# KiCad board washington-metro-pcb.kicad_pcb (continued)
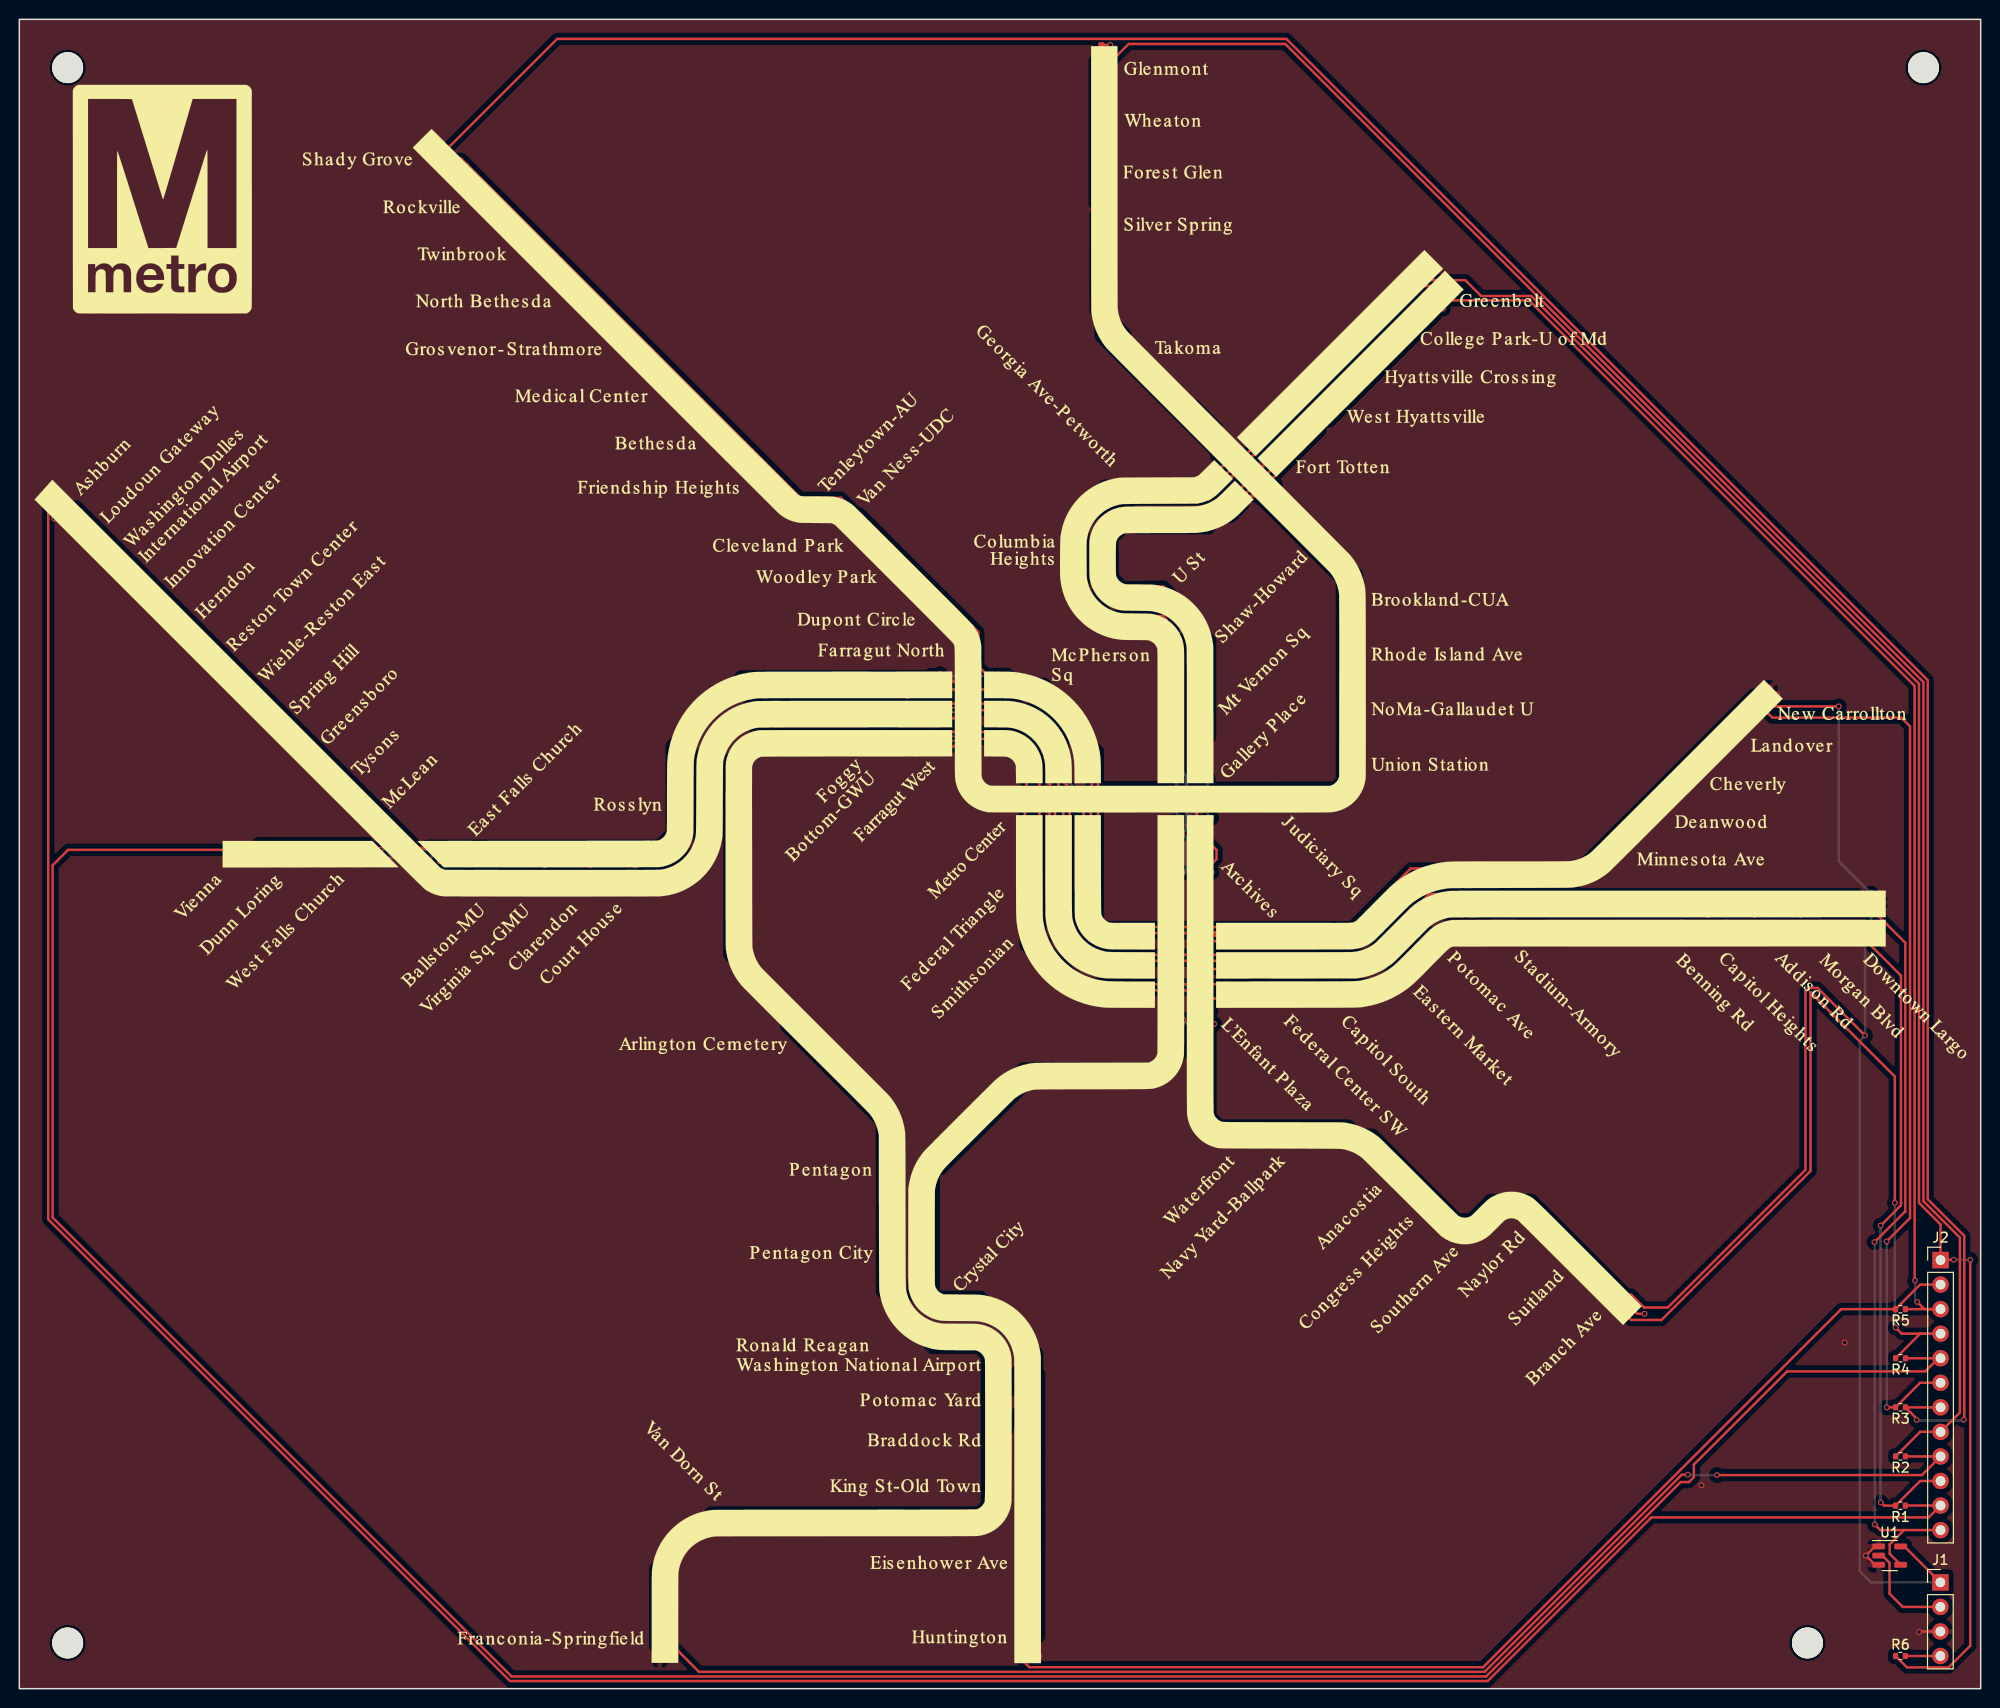
[diagram p0: board, top side]
## Placement (name value [footprint] x y rotation side) (continued)
LED34  WS2812B  [XL-1010RGBC-WS2812B]  4.26 122.32 315 top
LED35  WS2812B  [XL-1010RGBC-WS2812B]  190.09 78.36 0 top
LED36  WS2812B  [XL-1010RGBC-WS2812B]  185.28 78.36 0 top
LED37  WS2812B  [XL-1010RGBC-WS2812B]  180.46 78.36 0 top
LED38  WS2812B  [XL-1010RGBC-WS2812B]  175.66 78.36 0 top
LED39  WS2812B  [XL-1010RGBC-WS2812B]  170.84 78.36 0 top
LED40  WS2812B  [XL-1010RGBC-WS2812B]  151.98 78.42 0 top
LED41  WS2812B  [XL-1010RGBC-WS2812B]  146.99 77.58 45 top
LED42  WS2812B  [XL-1010RGBC-WS2812B]  143.27 74.03 45 top
LED43  WS2812B  [XL-1010RGBC-WS2812B]  134.95 71.74 0 top
LED44  WS2812B  [XL-1010RGBC-WS2812B]  128.36 71.81 0 top
LED45  WS2812B  [XL-1010RGBC-WS2812B]  122.22 71.84 0 top
LED46  WS2812B  [XL-1010RGBC-WS2812B]  104.54 80.3 270 top
LED47  WS2812B  [XL-1010RGBC-WS2812B]  104.51 85.37 270 top
LED48  WS2812B  [XL-1010RGBC-WS2812B]  104.46 92.03 270 top
LED49  WS2812B  [XL-1010RGBC-WS2812B]  102.35 97.82 0 top
LED50  WS2812B  [XL-1010RGBC-WS2812B]  93.13 97.92 0 top
LED51  WS2812B  [XL-1010RGBC-WS2812B]  87.95 97.8 0 top
LED52  WS2812B  [XL-1010RGBC-WS2812B]  74.53 91.71 90 top
LED53  WS2812B  [XL-1010RGBC-WS2812B]  82.61 66.83 135 top
LED54  WS2812B  [XL-1010RGBC-WS2812B]  90.29 53.91 90 top
LED55  WS2812B  [XL-1010RGBC-WS2812B]  90.29 45.21 90 top
LED56  WS2812B  [XL-1010RGBC-WS2812B]  95.76 36.45 270 top
LED57  WS2812B  [XL-1010RGBC-WS2812B]  101.23 33.88 90 top
LED58  WS2812B  [XL-1010RGBC-WS2812B]  101.3 29.67 90 top
LED59  WS2812B  [XL-1010RGBC-WS2812B]  101.3 25.81 90 top
LED60  WS2812B  [XL-1010RGBC-WS2812B]  101.29 20.52 90 top
LED61  WS2812B  [XL-1010RGBC-WS2812B]  76.62 17.17 0 top
LED62  WS2812B  [XL-1010RGBC-WS2812B]  66.76 5.3 180 top
LED63  WS2812B  [XL-1010RGBC-WS2812B]  112.3 167.71 90 top
LED64  WS2812B  [XL-1010RGBC-WS2812B]  112.29 162.32 90 top
LED65  WS2812B  [XL-1010RGBC-WS2812B]  112.31 156.95 90 top
LED66  WS2812B  [XL-1010RGBC-WS2812B]  112.31 151.58 90 top
LED67  WS2812B  [XL-1010RGBC-WS2812B]  114.43 138.82 135 top
LED68  WS2812B  [XL-1010RGBC-WS2812B]  123.92 129.45 135 top
LED69  WS2812B  [XL-1010RGBC-WS2812B]  137.98 112.78 90 top
LED70  WS2812B  [XL-1010RGBC-WS2812B]  138.02 107.13 90 top
LED71  WS2812B  [XL-1010RGBC-WS2812B]  138.01 101.46 90 top
LED72  WS2812B  [XL-1010RGBC-WS2812B]  137.99 95.81 90 top
LED73  WS2812B  [XL-1010RGBC-WS2812B]  129.11 91.99 0 top
LED74  WS2812B  [XL-1010RGBC-WS2812B]  122.13 92.12 0 top
LED75  WS2812B  [XL-1010RGBC-WS2812B]  113.29 92.14 0 top
LED76  WS2812B  [XL-1010RGBC-WS2812B]  98.25 107.15 270 top
LED77  WS2812B  [XL-1010RGBC-WS2812B]  95.48 111.42 315 top
LED78  WS2812B  [XL-1010RGBC-WS2812B]  92 114.89 315 top
LED79  WS2812B  [XL-1010RGBC-WS2812B]  88.5 118.37 315 top
LED80  WS2812B  [XL-1010RGBC-WS2812B]  85.58 121.28 315 top
LED81  WS2812B  [XL-1010RGBC-WS2812B]  81.16 121.95 0 top
LED82  WS2812B  [XL-1010RGBC-WS2812B]  77.8 124.35 315 top
LED83  WS2812B  [XL-1010RGBC-WS2812B]  73.22 128.94 315 top
LED84  WS2812B  [XL-1010RGBC-WS2812B]  68.32 133.84 315 top
LED85  WS2812B  [XL-1010RGBC-WS2812B]  63.42 138.72 315 top
LED86  WS2812B  [XL-1010RGBC-WS2812B]  58.52 143.62 315 top
LED87  WS2812B  [XL-1010RGBC-WS2812B]  53.64 148.52 315 top
LED88  WS2812B  [XL-1010RGBC-WS2812B]  48.75 153.4 315 top
LED89  WS2812B  [XL-1010RGBC-WS2812B]  43.84 158.3 315 top
LED90  WS2812B  [XL-1010RGBC-WS2812B]  179.66 101.58 45 top
LED91  WS2812B  [XL-1010RGBC-WS2812B]  175.74 97.64 45 top
LED92  WS2812B  [XL-1010RGBC-WS2812B]  171.82 93.74 45 top
LED93  WS2812B  [XL-1010RGBC-WS2812B]  167.89 89.81 45 top
LED94  WS2812B  [XL-1010RGBC-WS2812B]  163.99 85.88 45 top
LED95  WS2812B  [XL-1010RGBC-WS2812B]  151.97 83.89 0 top
LED96  WS2812B  [XL-1010RGBC-WS2812B]  142.19 81.73 45 top
LED97  WS2812B  [XL-1010RGBC-WS2812B]  139.34 78.54 45 top
LED98  WS2812B  [XL-1010RGBC-WS2812B]  134.95 77.69 0 top
LED99  WS2812B  [XL-1010RGBC-WS2812B]  128.46 77.74 0 top
LED100  WS2812B  [XL-1010RGBC-WS2812B]  122.26 77.77 0 top
LED101  WS2812B  [XL-1010RGBC-WS2812B]  110.62 80.3 270 top
LED102  WS2812B  [XL-1010RGBC-WS2812B]  110.49 85.4 270 top
LED103  WS2812B  [XL-1010RGBC-WS2812B]  110.54 92.12 270 top
LED104  WS2812B  [XL-1010RGBC-WS2812B]  102.35 104.03 0 top
LED105  WS2812B  [XL-1010RGBC-WS2812B]  93.19 103.81 0 top
LED106  WS2812B  [XL-1010RGBC-WS2812B]  88.05 103.78 0 top
LED107  WS2812B  [XL-1010RGBC-WS2812B]  68.46 91.76 90 top
LED108  WS2812B  [XL-1010RGBC-WS2812B]  64.6 86.15 0 top
LED109  WS2812B  [XL-1010RGBC-WS2812B]  59.98 86.15 0 top
LED110  WS2812B  [XL-1010RGBC-WS2812B]  55.24 86.15 0 top
LED111  WS2812B  [XL-1010RGBC-WS2812B]  50.64 86.16 0 top
LED112  WS2812B  [XL-1010RGBC-WS2812B]  44.59 86.13 0 top
LED113  WS2812B  [XL-1010RGBC-WS2812B]  36.3 86.36 0 top
LED114  WS2812B  [XL-1010RGBC-WS2812B]  29.96 86.37 0 top
LED115  WS2812B  [XL-1010RGBC-WS2812B]  23.64 86.37 0 top
LED116  WS2812B  [XL-1010RGBC-WS2812B]  164.92 40.59 315 top
LED117  WS2812B  [XL-1010RGBC-WS2812B]  160.89 44.6 315 top
LED118  WS2812B  [XL-1010RGBC-WS2812B]  156.89 48.6 315 top
LED119  WS2812B  [XL-1010RGBC-WS2812B]  150.33 47.57 45 top
LED120  WS2812B  [XL-1010RGBC-WS2812B]  145.47 50.41 315 top
LED121  WS2812B  [XL-1010RGBC-WS2812B]  142.22 53.66 315 top
LED122  WS2812B  [XL-1010RGBC-WS2812B]  132.82 57.3 0 top
LED123  WS2812B  [XL-1010RGBC-WS2812B]  127.58 57.25 0 top
LED124  WS2812B  [XL-1010RGBC-WS2812B]  122.05 69.58 270 top
LED125  WS2812B  [XL-1010RGBC-WS2812B]  122.17 85.25 270 top
LED126  WS2812B  [XL-1010RGBC-WS2812B]  122.24 89.38 270 top
LED127  WS2812B  [XL-1010RGBC-WS2812B]  122.17 99.27 270 top
LED128  WS2812B  [XL-1010RGBC-WS2812B]  122.19 105.66 270 top
LED129  WS2812B  [XL-1010RGBC-WS2812B]  115.62 113.01 0 top
LED130  WS2812B  [XL-1010RGBC-WS2812B]  112.11 117.45 270 top
LED131  WS2812B  [XL-1010RGBC-WS2812B]  115.63 121.04 180 top
LED132  WS2812B  [XL-1010RGBC-WS2812B]  127.97 125.2 225 top
LED133  WS2812B  [XL-1010RGBC-WS2812B]  134.63 131.73 225 top
LED134  WS2812B  [XL-1010RGBC-WS2812B]  138.61 135.72 225 top
LED135  WS2812B  [XL-1010RGBC-WS2812B]  142.59 139.68 225 top
LED136  WS2812B  [XL-1010RGBC-WS2812B]  146.54 143.65 225 top
LED137  WS2812B  [XL-1010RGBC-WS2812B]  104.31 5.3 270 top
LED138  WS2812B  [XL-1010RGBC-WS2812B]  104.29 13.16 270 top
LED139  WS2812B  [XL-1010RGBC-WS2812B]  104.34 20.49 270 top
LED140  WS2812B  [XL-1010RGBC-WS2812B]  104.35 25.74 270 top
LED141  WS2812B  [XL-1010RGBC-WS2812B]  104.33 29.6 270 top
LED142  WS2812B  [XL-1010RGBC-WS2812B]  104.24 33.86 270 top
LED143  WS2812B  [XL-1010RGBC-WS2812B]  95.78 39.5 90 top
LED144  WS2812B  [XL-1010RGBC-WS2812B]  93.43 45.22 270 top
LED145  WS2812B  [XL-1010RGBC-WS2812B]  94.01 53.77 315 top
LED146  WS2812B  [XL-1010RGBC-WS2812B]  119.14 69.6 270 top
LED147  WS2812B  [XL-1010RGBC-WS2812B]  119.16 85.27 270 top
LED148  WS2812B  [XL-1010RGBC-WS2812B]  119.14 89.33 270 top
LED149  WS2812B  [XL-1010RGBC-WS2812B]  119.17 99.3 270 top
LED150  WS2812B  [XL-1010RGBC-WS2812B]  119.17 105.71 270 top
LED151  WS2812B  [XL-1010RGBC-WS2812B]  115.64 110 0 top
LED152  WS2812B  [XL-1010RGBC-WS2812B]  109.09 117.5 270 top
LED153  WS2812B  [XL-1010RGBC-WS2812B]  115.63 124.05 180 top
LED154  WS2812B  [XL-1010RGBC-WS2812B]  125.85 127.26 225 top
LED155  WS2812B  [XL-1010RGBC-WS2812B]  132.51 133.86 225 top
LED156  WS2812B  [XL-1010RGBC-WS2812B]  136.49 137.84 225 top
LED157  WS2812B  [XL-1010RGBC-WS2812B]  140.48 141.82 225 top
LED158  WS2812B  [XL-1010RGBC-WS2812B]  144.37 145.74 225 top
R1  0  [R_0402_1005Metric]  194.62 18.94 180 top
R2  0  [R_0402_1005Metric]  194.63 24.04 180 top
R3  0  [R_0402_1005Metric]  194.62 29.11 180 top
R4  0  [R_0402_1005Metric]  194.63 34.19 180 top
R5  0  [R_0402_1005Metric]  194.62 39.27 180 top
R6  0  [R_0402_1005Metric]  194.62 3.38 0 top
U1  74AHC1G125  [SOT-23-5]  193.5 13.77 0 top

## Library data of the parts
C1-C158 = -: Description: 25V 1uF X5R   10% 0402 Multilayer Ceramic Capacitors MLCC - SMD SMT ROHS; LCSC: C52923; MFG: Samsung Electro-Mechanics; MFGPN: CL05A105KA5NQNC
H1-H4 = -: Description: Mounting Hole without connection
J1 = -: Description: Generic connector, single row, 01x04, script generated (kicad-library-utils/schlib/autogen/connector/)
J2 = -: Description: Generic connector, single row, 01x12, script generated (kicad-library-utils/schlib/autogen/connector/)
LED1-LED158 = -: Description: RGB LED with integrated controller; LCSC: C5349953
R1-R6 = -: Description: 1% 1 16W Thick Film Resistors 50V   800ppm    -55    155   0   0402 Chip Resistor - Surface Mount ROHS; LCSC: C17168; MFG: UNI-ROYAL(Uniroyal Elec); MFGPN: 0402WGF0000TCE
U1 = -: Description: Single Buffer Gate Tri-State, Low-Voltage CMOS; LCSC: C23654

## Footprints (pads in the part's own frame, mm; a bottom-side part is the same pattern mirrored in y, then rotated)
C_0402_1005Metric
  rrect 0.56x0.62 smd: 1(-0.48,0) 2(0.48,0)
MountingHole_3.2mm_M3
  round 3.2 hole 3.2 unplated: (0,0)
PinHeader_1x04_P2.54mm_Vertical
  rect 1.7x1.7 hole 1: 1(0,0)
  oval 1.7x1.7 hole 1: 2(0,-2.54) 3(0,-5.08) 4(0,-7.62)
PinHeader_1x12_P2.54mm_Vertical
  rect 1.7x1.7 hole 1: 1(0,0)
  oval 1.7x1.7 hole 1: 2(0,-2.54) 3(0,-5.08) 4(0,-7.62) 5(0,-10.16) 6(0,-12.7) 7(0,-15.24) 8(0,-17.78) 9(0,-20.32) 10(0,-22.86) 11(0,-25.4) 12(0,-27.94)
R_0402_1005Metric
  rrect 0.54x0.64 smd: 1(-0.51,0) 2(0.51,0)
SOT-23-5
  rrect 1.325x0.6 smd: 1(-1.137,0.95) 2(-1.137,0) 3(-1.137,-0.95) 4(1.137,-0.95) 5(1.137,0.95)
XL-1010RGBC-WS2812B
  rrect 0.45x0.45 smd: 1(-0.425,0.425) 2(0.425,0.425) 3(-0.425,-0.425) 4(0.425,-0.425)

## Nets
+5V: C1.1 C2.1 C3.1 C4.1 C5.1 C6.1 C7.1 C8.1 C9.1 C10.1 C11.1 C12.1 C13.1 C14.1 C15.1 C16.1 C17.1 C18.1 C19.1 C20.1 C21.1 C22.1 C23.1 C24.1 C25.1 C26.1 C27.1 C28.1 C29.1 C30.1 C31.1 C32.1 C33.1 C34.1 C35.1 C36.1 C37.1 C38.1 C39.1 C40.1 C41.1 C42.1 C43.1 C44.1 C45.1 C46.1 C47.1 C48.1 C49.1 C50.1 C51.1 C52.1 C53.1 C54.1 C55.1 C56.1 C57.1 C58.1 C59.1 C60.1 C61.1 C62.1 C63.1 C64.1 C65.1 C66.1 C67.1 C68.1 C69.1 C70.1 C71.1 C72.1 C73.1 C74.1 C75.1 C76.1 C77.1 C78.1 C79.1 C80.1 C81.1 C82.1 C83.1 C84.1 C85.1 C86.1 C87.1 C88.1 C89.1 C90.1 C91.1 C92.1 C93.1 C94.1 C95.1 C96.1 C97.1 C98.1 C99.1 C100.1 C101.1 C102.1 C103.1 C104.1 C105.1 C106.1 C107.1 C108.1 C109.1 C110.1 C111.1 C112.1 C113.1 C114.1 C115.1 C116.1 C117.1 C118.1 C119.1 C120.1 C121.1 C122.1 C123.1 C124.1 C125.1 C126.1 C127.1 C128.1 C129.1 C130.1 C131.1 C132.1 C133.1 C134.1 C135.1 C136.1 C137.1 C138.1 C139.1 C140.1 C141.1 C142.1 C143.1 C144.1 C145.1 C146.1 C147.1 C148.1 C149.1 C150.1 C151.1 C152.1 C153.1 C154.1 C155.1 C156.1 C157.1 C158.1 J1.1 LED1.2 LED2.2 LED3.2 LED4.2 LED5.2 LED6.2 LED7.2 LED8.2 LED9.2 LED10.2 LED11.2 LED12.2 LED13.2 LED14.2 LED15.2 LED16.2 LED17.2 LED18.2 LED19.2 LED20.2 LED21.2 LED22.2 LED23.2 LED24.2 LED25.2 LED26.2 LED27.2 LED28.2 LED29.2 LED30.2 LED31.2 LED32.2 LED33.2 LED34.2 LED35.2 LED36.2 LED37.2 LED38.2 LED39.2 LED40.2 LED41.2 LED42.2 LED43.2 LED44.2 LED45.2 LED46.2 LED47.2 LED48.2 LED49.2 LED50.2 LED51.2 LED52.2 LED53.2 LED54.2 LED55.2 LED56.2 LED57.2 LED58.2 LED59.2 LED60.2 LED61.2 LED62.2 LED63.2 LED64.2 LED65.2 LED66.2 LED67.2 LED68.2 LED69.2 LED70.2 LED71.2 LED72.2 LED73.2 LED74.2 LED75.2 LED76.2 LED77.2 LED78.2 LED79.2 LED80.2 LED81.2 LED82.2 LED83.2 LED84.2 LED85.2 LED86.2 LED87.2 LED88.2 LED89.2 LED90.2 LED91.2 LED92.2 LED93.2 LED94.2 LED95.2 LED96.2 LED97.2 LED98.2 LED99.2 LED100.2 LED101.2 LED102.2 LED103.2 LED104.2 LED105.2 LED106.2 LED107.2 LED108.2 LED109.2 LED110.2 LED111.2 LED112.2 LED113.2 LED114.2 LED115.2 LED116.2 LED117.2 LED118.2 LED119.2 LED120.2 LED121.2 LED122.2 LED123.2 LED124.2 LED125.2 LED126.2 LED127.2 LED128.2 LED129.2 LED130.2 LED131.2 LED132.2 LED133.2 LED134.2 LED135.2 LED136.2 LED137.2 LED138.2 LED139.2 LED140.2 LED141.2 LED142.2 LED143.2 LED144.2 LED145.2 LED146.2 LED147.2 LED148.2 LED149.2 LED150.2 LED151.2 LED152.2 LED153.2 LED154.2 LED155.2 LED156.2 LED157.2 LED158.2 U1.5
GND: C1.2 C2.2 C3.2 C4.2 C5.2 C6.2 C7.2 C8.2 C9.2 C10.2 C11.2 C12.2 C13.2 C14.2 C15.2 C16.2 C17.2 C18.2 C19.2 C20.2 C21.2 C22.2 C23.2 C24.2 C25.2 C26.2 C27.2 C28.2 C29.2 C30.2 C31.2 C32.2 C33.2 C34.2 C35.2 C36.2 C37.2 C38.2 C39.2 C40.2 C41.2 C42.2 C43.2 C44.2 C45.2 C46.2 C47.2 C48.2 C49.2 C50.2 C51.2 C52.2 C53.2 C54.2 C55.2 C56.2 C57.2 C58.2 C59.2 C60.2 C61.2 C62.2 C63.2 C64.2 C65.2 C66.2 C67.2 C68.2 C69.2 C70.2 C71.2 C72.2 C73.2 C74.2 C75.2 C76.2 C77.2 C78.2 C79.2 C80.2 C81.2 C82.2 C83.2 C84.2 C85.2 C86.2 C87.2 C88.2 C89.2 C90.2 C91.2 C92.2 C93.2 C94.2 C95.2 C96.2 C97.2 C98.2 C99.2 C100.2 C101.2 C102.2 C103.2 C104.2 C105.2 C106.2 C107.2 C108.2 C109.2 C110.2 C111.2 C112.2 C113.2 C114.2 C115.2 C116.2 C117.2 C118.2 C119.2 C120.2 C121.2 C122.2 C123.2 C124.2 C125.2 C126.2 C127.2 C128.2 C129.2 C130.2 C131.2 C132.2 C133.2 C134.2 C135.2 C136.2 C137.2 C138.2 C139.2 C140.2 C141.2 C142.2 C143.2 C144.2 C145.2 C146.2 C147.2 C148.2 C149.2 C150.2 C151.2 C152.2 C153.2 C154.2 C155.2 C156.2 C157.2 C158.2 J1.3 LED1.3 LED2.3 LED3.3 LED4.3 LED5.3 LED6.3 LED7.3 LED8.3 LED9.3 LED10.3 LED11.3 LED12.3 LED13.3 LED14.3 LED15.3 LED16.3 LED17.3 LED18.3 LED19.3 LED20.3 LED21.3 LED22.3 LED23.3 LED24.3 LED25.3 LED26.3 LED27.3 LED28.3 LED29.3 LED30.3 LED31.3 LED32.3 LED33.3 LED34.3 LED35.3 LED36.3 LED37.3 LED38.3 LED39.3 LED40.3 LED41.3 LED42.3 LED43.3 LED44.3 LED45.3 LED46.3 LED47.3 LED48.3 LED49.3 LED50.3 LED51.3 LED52.3 LED53.3 LED54.3 LED55.3 LED56.3 LED57.3 LED58.3 LED59.3 LED60.3 LED61.3 LED62.3 LED63.3 LED64.3 LED65.3 LED66.3 LED67.3 LED68.3 LED69.3 LED70.3 LED71.3 LED72.3 LED73.3 LED74.3 LED75.3 LED76.3 LED77.3 LED78.3 LED79.3 LED80.3 LED81.3 LED82.3 LED83.3 LED84.3 LED85.3 LED86.3 LED87.3 LED88.3 LED89.3 LED90.3 LED91.3 LED92.3 LED93.3 LED94.3 LED95.3 LED96.3 LED97.3 LED98.3 LED99.3 LED100.3 LED101.3 LED102.3 LED103.3 LED104.3 LED105.3 LED106.3 LED107.3 LED108.3 LED109.3 LED110.3 LED111.3 LED112.3 LED113.3 LED114.3 LED115.3 LED116.3 LED117.3 LED118.3 LED119.3 LED120.3 LED121.3 LED122.3 LED123.3 LED124.3 LED125.3 LED126.3 LED127.3 LED128.3 LED129.3 LED130.3 LED131.3 LED132.3 LED133.3 LED134.3 LED135.3 LED136.3 LED137.3 LED138.3 LED139.3 LED140.3 LED141.3 LED142.3 LED143.3 LED144.3 LED145.3 LED146.3 LED147.3 LED148.3 LED149.3 LED150.3 LED151.3 LED152.3 LED153.3 LED154.3 LED155.3 LED156.3 LED157.3 LED158.3 U1.1 U1.3
BLUE_LINE_IN: J2.10 LED35.4 R1.2
BLUE_LINE_OUT: J2.9 LED62.1 R2.1
GREEN_LINE_IN: J2.4 LED116.4 R4.2
GREEN_LINE_OUT: J2.3 LED136.1 R5.1
LED_IN: J1.2 U1.2
LED_OUT: J1.4 R6.2
ORANGE_LINE_IN: J2.6 LED90.4 R3.2
ORANGE_LINE_OUT: J2.5 LED115.1 R4.1
RED_LINE_IN: J2.8 LED63.4 R2.2
RED_LINE_OUT: J2.7 LED89.1 R3.1
SILVER_LINE_IN: J2.12 LED1.4 U1.4
SILVER_LINE_OUT: J2.11 LED34.1 R1.1
YELLOW_LINE_IN: J2.2 LED137.4 R5.2
YELLOW_LINE_OUT: J2.1 LED158.1 R6.1
Net-(LED1-DOUT): LED1.1 LED2.4
Net-(LED2-DOUT): LED2.1 LED3.4
Net-(LED3-DOUT): LED3.1 LED4.4
Net-(LED4-DOUT): LED4.1 LED5.4
Net-(LED5-DOUT): LED5.1 LED6.4
Net-(LED6-DOUT): LED6.1 LED7.4
Net-(LED7-DOUT): LED7.1 LED8.4
Net-(LED8-DOUT): LED8.1 LED9.4
Net-(LED10-DIN): LED9.1 LED10.4
Net-(LED10-DOUT): LED10.1 LED11.4
Net-(LED11-DOUT): LED11.1 LED12.4
Net-(LED12-DOUT): LED12.1 LED13.4
Net-(LED13-DOUT): LED13.1 LED14.4
Net-(LED14-DOUT): LED14.1 LED15.4
Net-(LED15-DOUT): LED15.1 LED16.4
Net-(LED16-DOUT): LED16.1 LED17.4
Net-(LED17-DOUT): LED17.1 LED18.4
Net-(LED18-DOUT): LED18.1 LED19.4
Net-(LED19-DOUT): LED19.1 LED20.4
Net-(LED20-DOUT): LED20.1 LED21.4
Net-(LED21-DOUT): LED21.1 LED22.4
Net-(LED22-DOUT): LED22.1 LED23.4
Net-(LED23-DOUT): LED23.1 LED24.4
Net-(LED24-DOUT): LED24.1 LED25.4
Net-(LED25-DOUT): LED25.1 LED26.4
Net-(LED26-DOUT): LED26.1 LED27.4
Net-(LED27-DOUT): LED27.1 LED28.4
Net-(LED28-DOUT): LED28.1 LED29.4
Net-(LED29-DOUT): LED29.1 LED30.4
Net-(LED30-DOUT): LED30.1 LED31.4
Net-(LED31-DOUT): LED31.1 LED32.4
Net-(LED32-DOUT): LED32.1 LED33.4
Net-(LED33-DOUT): LED33.1 LED34.4
Net-(LED35-DOUT): LED35.1 LED36.4
Net-(LED36-DOUT): LED36.1 LED37.4
Net-(LED37-DOUT): LED37.1 LED38.4
Net-(LED38-DOUT): LED38.1 LED39.4
Net-(LED39-DOUT): LED39.1 LED40.4
Net-(LED40-DOUT): LED40.1 LED41.4
Net-(LED41-DOUT): LED41.1 LED42.4
Net-(LED42-DOUT): LED42.1 LED43.4
Net-(LED43-DOUT): LED43.1 LED44.4
Net-(LED44-DOUT): LED44.1 LED45.4
Net-(LED45-DOUT): LED45.1 LED46.4
Net-(LED46-DOUT): LED46.1 LED47.4
Net-(LED47-DOUT): LED47.1 LED48.4
Net-(LED48-DOUT): LED48.1 LED49.4
Net-(LED49-DOUT): LED49.1 LED50.4
Net-(LED50-DOUT): LED50.1 LED51.4
Net-(LED51-DOUT): LED51.1 LED52.4
Net-(LED52-DOUT): LED52.1 LED53.4
Net-(LED53-DOUT): LED53.1 LED54.4
Net-(LED54-DOUT): LED54.1 LED55.4
Net-(LED55-DOUT): LED55.1 LED56.4
Net-(LED56-DOUT): LED56.1 LED57.4
Net-(LED57-DOUT): LED57.1 LED58.4
Net-(LED58-DOUT): LED58.1 LED59.4
Net-(LED59-DOUT): LED59.1 LED60.4
Net-(LED60-DOUT): LED60.1 LED61.4
Net-(LED61-DOUT): LED61.1 LED62.4
Net-(LED63-DOUT): LED63.1 LED64.4
Net-(LED64-DOUT): LED64.1 LED65.4
Net-(LED65-DOUT): LED65.1 LED66.4
Net-(LED66-DOUT): LED66.1 LED67.4
Net-(LED67-DOUT): LED67.1 LED68.4
Net-(LED68-DOUT): LED68.1 LED69.4
Net-(LED69-DOUT): LED69.1 LED70.4
Net-(LED70-DOUT): LED70.1 LED71.4
Net-(LED71-DOUT): LED71.1 LED72.4
Net-(LED72-DOUT): LED72.1 LED73.4
Net-(LED73-DOUT): LED73.1 LED74.4
Net-(LED74-DOUT): LED74.1 LED75.4
Net-(LED75-DOUT): LED75.1 LED76.4
Net-(LED76-DOUT): LED76.1 LED77.4
Net-(LED77-DOUT): LED77.1 LED78.4
Net-(LED78-DOUT): LED78.1 LED79.4
Net-(LED79-DOUT): LED79.1 LED80.4
Net-(LED80-DOUT): LED80.1 LED81.4
Net-(LED81-DOUT): LED81.1 LED82.4
Net-(LED82-DOUT): LED82.1 LED83.4
Net-(LED83-DOUT): LED83.1 LED84.4
Net-(LED84-DOUT): LED84.1 LED85.4
Net-(LED85-DOUT): LED85.1 LED86.4
Net-(LED86-DOUT): LED86.1 LED87.4
Net-(LED87-DOUT): LED87.1 LED88.4
Net-(LED88-DOUT): LED88.1 LED89.4
Net-(LED90-DOUT): LED90.1 LED91.4
Net-(LED91-DOUT): LED91.1 LED92.4
Net-(LED92-DOUT): LED92.1 LED93.4
Net-(LED93-DOUT): LED93.1 LED94.4
Net-(LED94-DOUT): LED94.1 LED95.4
Net-(LED95-DOUT): LED95.1 LED96.4
Net-(LED96-DOUT): LED96.1 LED97.4
Net-(LED97-DOUT): LED97.1 LED98.4
Net-(LED98-DOUT): LED98.1 LED99.4
Net-(LED100-DIN): LED99.1 LED100.4
Net-(LED100-DOUT): LED100.1 LED101.4
Net-(LED101-DOUT): LED101.1 LED102.4
Net-(LED102-DOUT): LED102.1 LED103.4
Net-(LED103-DOUT): LED103.1 LED104.4
Net-(LED104-DOUT): LED104.1 LED105.4
Net-(LED105-DOUT): LED105.1 LED106.4
Net-(LED106-DOUT): LED106.1 LED107.4
Net-(LED107-DOUT): LED107.1 LED108.4
Net-(LED108-DOUT): LED108.1 LED109.4
Net-(LED109-DOUT): LED109.1 LED110.4
Net-(LED110-DOUT): LED110.1 LED111.4
Net-(LED111-DOUT): LED111.1 LED112.4
Net-(LED112-DOUT): LED112.1 LED113.4
Net-(LED113-DOUT): LED113.1 LED114.4
Net-(LED114-DOUT): LED114.1 LED115.4
Net-(LED116-DOUT): LED116.1 LED117.4
Net-(LED117-DOUT): LED117.1 LED118.4
Net-(LED118-DOUT): LED118.1 LED119.4
Net-(LED119-DOUT): LED119.1 LED120.4
Net-(LED120-DOUT): LED120.1 LED121.4
Net-(LED121-DOUT): LED121.1 LED122.4
Net-(LED122-DOUT): LED122.1 LED123.4
Net-(LED123-DOUT): LED123.1 LED124.4
Net-(LED124-DOUT): LED124.1 LED125.4
Net-(LED125-DOUT): LED125.1 LED126.4
Net-(LED126-DOUT): LED126.1 LED127.4
Net-(LED127-DOUT): LED127.1 LED128.4
Net-(LED128-DOUT): LED128.1 LED129.4
Net-(LED129-DOUT): LED129.1 LED130.4
Net-(LED130-DOUT): LED130.1 LED131.4
Net-(LED131-DOUT): LED131.1 LED132.4
Net-(LED132-DOUT): LED132.1 LED133.4
Net-(LED133-DOUT): LED133.1 LED134.4
Net-(LED134-DOUT): LED134.1 LED135.4
Net-(LED135-DOUT): LED135.1 LED136.4
Net-(LED137-DOUT): LED137.1 LED138.4
Net-(LED138-DOUT): LED138.1 LED139.4
Net-(LED139-DOUT): LED139.1 LED140.4
Net-(LED140-DOUT): LED140.1 LED141.4
Net-(LED141-DOUT): LED141.1 LED142.4
Net-(LED142-DOUT): LED142.1 LED143.4
Net-(LED143-DOUT): LED143.1 LED144.4
Net-(LED144-DOUT): LED144.1 LED145.4
Net-(LED145-DOUT): LED145.1 LED146.4
Net-(LED146-DOUT): LED146.1 LED147.4
Net-(LED147-DOUT): LED147.1 LED148.4
Net-(LED148-DOUT): LED148.1 LED149.4
Net-(LED149-DOUT): LED149.1 LED150.4
Net-(LED150-DOUT): LED150.1 LED151.4
Net-(LED151-DOUT): LED151.1 LED152.4
Net-(LED152-DOUT): LED152.1 LED153.4
Net-(LED153-DOUT): LED153.1 LED154.4
Net-(LED154-DOUT): LED154.1 LED155.4
Net-(LED155-DOUT): LED155.1 LED156.4
Net-(LED156-DOUT): LED156.1 LED157.4
Net-(LED157-DOUT): LED157.1 LED158.4

## Via types
v1: diameter 0.6, hole 0.4, Top to Bottom, 361 vias
